# Altium PCB smoothieboard-alt.PcbDoc (part 2 of 3) (continued)
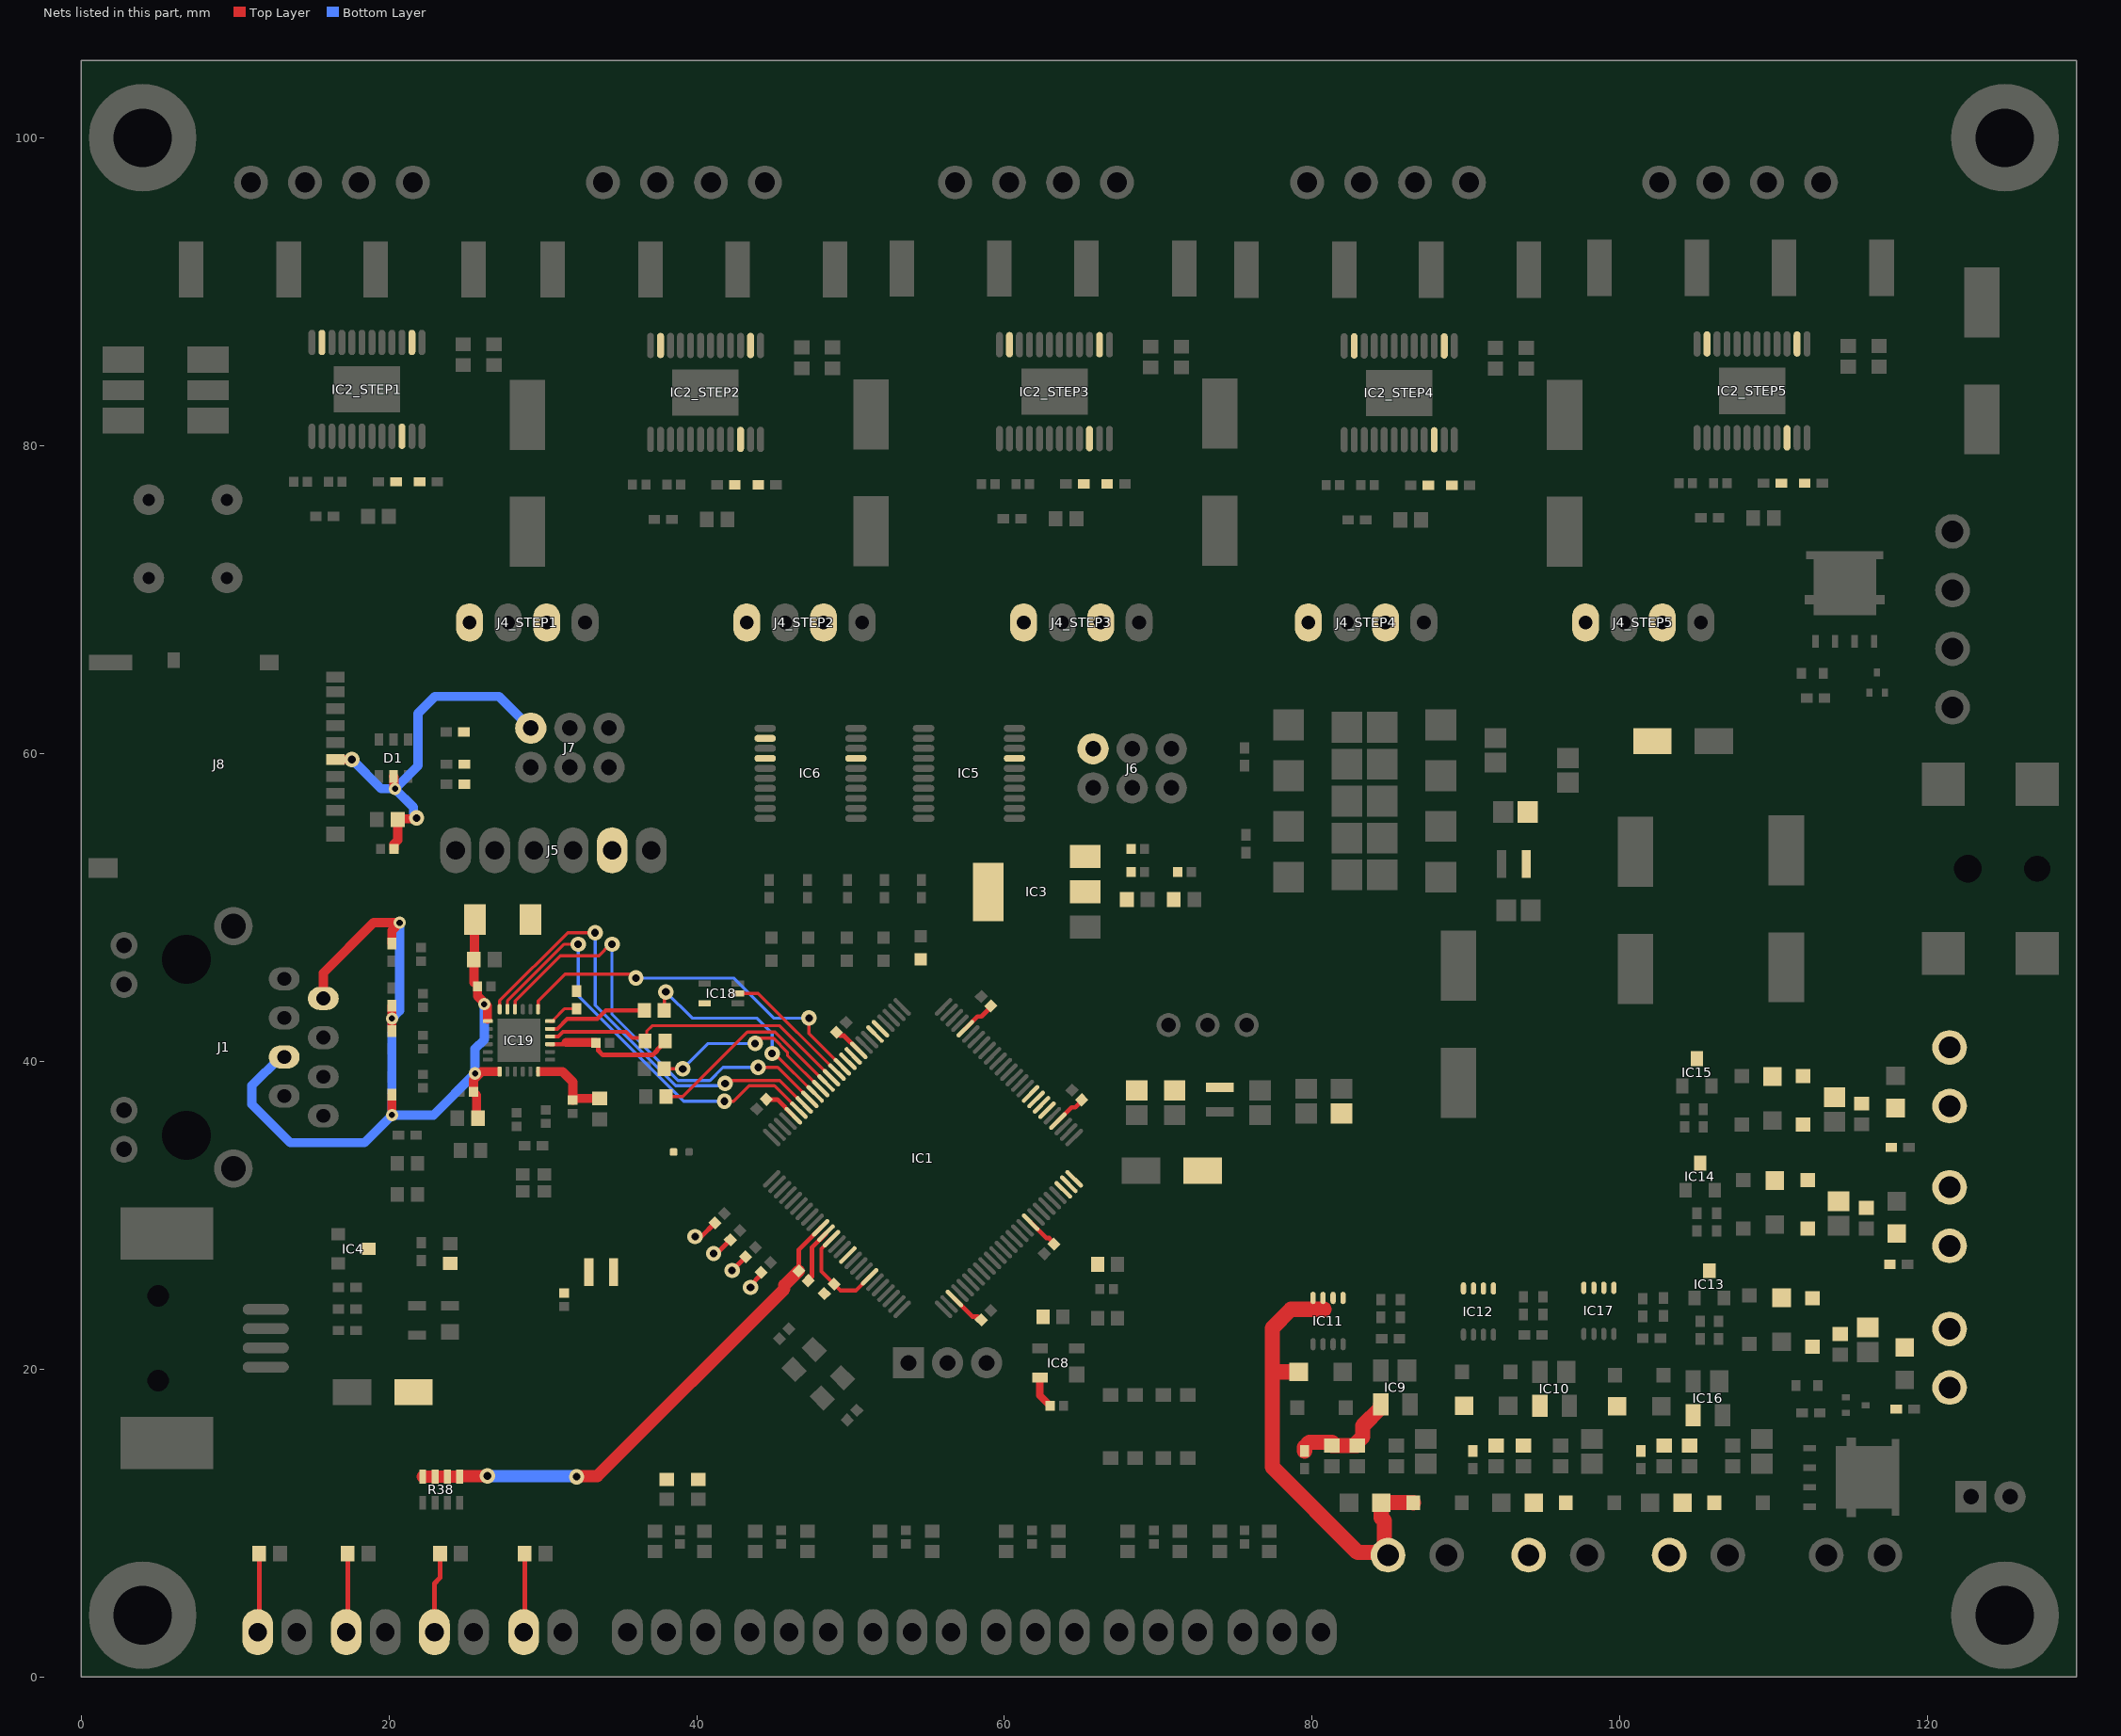
[diagram p3: the nets of this part, all layers, seen from the top]
## Part data (continued)
D10 D11: library part LTST-C171KGKT, "LED GREEN CLEAR SMD", Current - Test=20mA, Device Package="0805 (2012 Metric)", Lens Color=Colorless, Manufacturer="Lite-On Inc.", Millicandela Rating=35mcd, Supplier Part Number 1=160-1426-1-ND, Voltage - Forward (Vf) (Typ)=2V, Color=Green, ComponentLink1Description=Datasheet, ComponentLink1URL=http://optoelectronics.liteon.com/upload/download/DS22-2000-118/LTST-C171KGKT.pdf, ComponentLink2Description="DigiKey Link", ComponentLink2URL=http://digikey.com/product-detail/en/lite-on-inc/LTST-C171KGKT/160-1426-1-ND/386798, Configuration=Standard, Height (Max)=0.90mm, LastUpdated="9/2/2020 01:21:04", Lens Size="1.40mm x 1.25mm", Lens Style="Rectangle with Flat Top", Lens Transparency=Clear, Lifecycle Status=Active, Minimum Order=1, Mounting Type="Surface Mount", Package / Case="0805 (2012 Metric)", Packaging=TapeAndReel, Part Number=LTST-C171KGKT, Part Status=Active, PartId=281, Price=0.05, Series=-, Size / Dimension="2.00mm L x 1.25mm W", Supplier 1=DigiKey, Viewing Angle=130°, Wavelength - Dominant=571nm, Wavelength - Peak=574nm
D12 D13: library part LTST-C170TBKT, "LED BLUE CLEAR SMD", Current - Test=20mA, Device Package="0805 (2012 Metric)", Lens Color=Colorless, Manufacturer="Lite-On Inc.", Millicandela Rating=104mcd, Supplier Part Number 1=160-1579-1-ND, Voltage - Forward (Vf) (Typ)=3.3V, Color=Blue, ComponentLink1Description=Datasheet, ComponentLink1URL=http://optoelectronics.liteon.com/upload/download/DS-22-99-0226/LTST-C170TBKT.pdf, ComponentLink2Description="DigiKey Link", ComponentLink2URL=http://digikey.com/product-detail/en/lite-on-inc/LTST-C170TBKT/160-1579-1-ND/564889, Configuration=Standard, Height (Max)=1.10mm, LastUpdated="9/2/2020 01:20:30", Lens Size="1.40mm x 1.25mm", Lens Style="Rectangle with Flat Top", Lens Transparency=Clear, Lifecycle Status=Active, Minimum Order=1, Mounting Type="Surface Mount", Package / Case="0805 (2012 Metric)", Packaging=TapeAndReel, Part Number=LTST-C170TBKT, Part Status=Active, PartId=776, Price=0.08, Series=-, Size / Dimension="2.00mm L x 1.25mm W", Supplier 1=DigiKey, Viewing Angle=130°, Wavelength - Dominant=470nm, Wavelength - Peak=468nm
D14 D15 D16 D21 D29 D30: "DIODE SCHOTTKY 60V 15MA SOD123", Current - Average Rectified (Io)="15mA (DC)", Current - Reverse Leakage @ Vr="200nA @ 50V", Manufacturer="Diodes Incorporated", Operating Temperature - Junction="-55°C ~ 125°C", Package / Case=SOD-123, Supplier Part Number 1=1N6263W-FDICT-ND, Voltage - DC Reverse (Vr) (Max)=60V, Voltage - Forward (Vf) (Max) @ If="1V @ 15mA", ComponentLink1Description=Datasheet, ComponentLink1URL=https://www.diodes.com/assets/Datasheets/ds11014.pdf, ComponentLink2Description="DigiKey Link", ComponentLink2URL=http://digikey.com/product-detail/en/diodes-incorporated/1N6263W-7-F/1N6263W-FDICT-ND/815284, Diode Type=Schottky, LastUpdated="9/2/2020 01:19:07", Lifecycle Status=Active, Minimum Order=1, Mounting Type="Surface Mount", Packaging=TapeAndReel, Part Number=1N6263W-7-F, Part Status=Active, PartId=2234, Price=0.09, Reverse Recovery Time (trr)=1ns, Series=-, Speed="Small Signal =< 200mA (Io), Any Speed", Supplier 1=DigiKey, Supplier Device Package=SOD-123
D19 D20 D23 D34 D35 D36: "TVS DIODE 15V 24.4V SOD123", Current - Peak Pulse (10/1000µs)=8.2A, Manufacturer="Comchip Technology", Operating Temperature="-55°C ~ 150°C (TJ)", Package / Case=SOD-123, Power - Peak Pulse=200W, Power Line Protection=No, Supplier Part Number 1=641-2066-1-ND, Voltage - Breakdown (Min)=16.7V, Voltage - Clamping (Max) @ Ipp=24.4V, Voltage - Reverse Standoff (Typ)=15V, Applications="General Purpose", Bidirectional Channels=1, ComponentLink1Description=Datasheet, ComponentLink1URL="http://www.comchiptech.com/admin/files/product/TV02W-G series RevE.pdf", ComponentLink2Description="DigiKey Link", ComponentLink2URL=http://digikey.com/product-detail/en/comchip-technology/TV02W150B-G/641-2066-1-ND/10131652, LastUpdated="9/2/2020 01:28:33", Lifecycle Status=Active, Minimum Order=1, Mounting Type="Surface Mount", Packaging=TapeAndReel, Part Number=TV02W150B-G, Part Status=Active, PartId=10024, Price=0.11, Series=-, Supplier 1=DigiKey, Supplier Device Package=SOD-123, Type=Zener
D24 D25 D26 D27 D28: library part EAST16084RA0, "LED RED CLEAR 2SMD", Current - Test=20mA, Device Package="0603 (1608 Metric)", Lens Color=Colorless, Manufacturer="Everlight Electronics Co Ltd", Millicandela Rating=79mcd, Supplier Device Package=2-SMD, Supplier Part Number 1=1080-EAST16084RA0CT-ND, Voltage - Forward (Vf) (Typ)=2V, Color=Red, ComponentLink1Description=Datasheet, ComponentLink1URL=https://everlightamericas.com/index.php?controller=attachment&id_attachment=918, ComponentLink2Description="DigiKey Link", ComponentLink2URL=http://digikey.com/product-detail/en/everlight-electronics-co-ltd/EAST16084RA0/1080-EAST16084RA0CT-ND/11201073, Configuration=Standard, Height (Max)=0.50mm, LastUpdated="9/2/2020 01:20:55", Lens Size="1.00mm x 0.80mm", Lens Style="Rectangle with Flat Top", Lens Transparency=Clear, Lifecycle Status=Active, Minimum Order=1, Mounting Type="Surface Mount", Package / Case="0603 (1608 Metric)", Packaging=TapeAndReel, Part Number=EAST16084RA0, Part Status=Active, PartId=941, Price=0.06, Series=-, Size / Dimension="1.60mm L x 0.80mm W", Supplier 1=DigiKey, Viewing Angle=120°, Wavelength - Dominant=624nm, Wavelength - Peak=632nm
D31 D32 D33: "TVS DIODE 14V 23.2V SOD123F", Current - Peak Pulse (10/1000µs)=8.6A, Manufacturer="Littelfuse Inc.", Operating Temperature="-55°C ~ 150°C (TJ)", Package / Case=SOD-123F, Power - Peak Pulse=200W, Power Line Protection=No, Supplier Part Number 1=F5816CT-ND, Voltage - Breakdown (Min)=15.6V, Voltage - Clamping (Max) @ Ipp=23.2V, Voltage - Reverse Standoff (Typ)=14V, Applications="General Purpose", ComponentLink1Description=Datasheet, ComponentLink1URL=https://www.littelfuse.com/~/media/electronics/datasheets/tvs_diodes/littelfuse_tvs_diode_smf_datasheet.pdf.pdf, ComponentLink2Description="DigiKey Link", ComponentLink2URL=http://digikey.com/product-detail/en/littelfuse-inc/SMF14A/F5816CT-ND/3672306, LastUpdated="9/2/2020 01:28:36", Lifecycle Status=Active, Minimum Order=1, Mounting Type="Surface Mount", Packaging=TapeAndReel, Part Number=SMF14A, Part Status=Active, PartId=10135, Price=0.11, Series=SMF, Supplier 1=DigiKey, Supplier Device Package=SOD-123F, Type=Zener, Unidirectional Channels=1
D39_STEP1 D39_STEP2 D39_STEP3 D39_STEP4 D39_STEP5 D40_STEP1 D40_STEP2 D40_STEP3 D40_STEP4 D40_STEP5: "TVS DIODE SMF4L 40V BI 400W", Current - Peak Pulse (10/1000µs)=6.2A, Manufacturer="Littelfuse Inc.", Operating Temperature="-55°C ~ 150°C (TJ)", Package / Case=SOD-123F, Power - Peak Pulse=400W, Power Line Protection=No, Supplier Device Package=SOD-123FL, Supplier Part Number 1=18-SMF4L40CACT-ND, Voltage - Breakdown (Min)=44.4V, Voltage - Clamping (Max) @ Ipp=64.5V, Voltage - Reverse Standoff (Typ)=40V, Applications="General Purpose", Bidirectional Channels=1, ComponentLink1Description=Datasheet, ComponentLink1URL=https://www.littelfuse.com/~/media/electronics/datasheets/tvs_diodes/littelfuse_tvs_diode_smf4l_datasheet.pdf.pdf, ComponentLink2Description="DigiKey Link", ComponentLink2URL=http://digikey.com/product-detail/en/littelfuse-inc/SMF4L40CA/18-SMF4L40CACT-ND/10710302, LastUpdated="9/2/2020 01:28:38", Lifecycle Status=Active, Minimum Order=1, Mounting Type="Surface Mount", Packaging=Unknown, Part Number=SMF4L40CA, Part Status=Active, PartId=10236, Price=0.12, Series=SMF4L, Supplier 1=DigiKey, Type=Zener
FB1: library part LF1206E152R-10, "FERRITE BEAD 946 OHM 1206 1LN", Current Rating (Max)=500mA, DC Resistance (DCR) (Max)=300mOhm, Device Package="1206 (3216 Metric)", Manufacturer="Laird-Signal Integrity Products", Operating Temperature="-40°C ~ 125°C", Supplier Part Number 1=240-2566-1-ND, ComponentLink1Description=Datasheet, ComponentLink1URL=https://assets.lairdtech.com/home/brandworld/files/Catalog_EMI%20FILTERING%20RF%200717.pdf, ComponentLink2Description="DigiKey Link", ComponentLink2URL=http://digikey.com/product-detail/en/laird-signal-integrity-products/LF1206E152R-10/240-2566-1-ND/1236446, Filter Type="Power, Signal Line", Height (Max)="0.051\" (1.30mm)", Impedance @ Frequency="946 Ohms @ 100MHz", LastUpdated="9/2/2020 01:18:24", Lifecycle Status=Active, Minimum Order=1, Mounting Type="Surface Mount", Number of Lines=1, Package / Case="1206 (3216 Metric)", Packaging=TapeAndReel, Part Number=LF1206E152R-10, Part Status=Active, PartId=1683, Price=0.05, Series=LF, Size / Dimension="0.126\" L x 0.063\" W (3.20mm x 1.60mm)", Supplier 1=DigiKey
G1 G2: library part OSH_LOGO, "Open source hardware logo"
H1 H2 H3 H4: "Plated thru-hole."
IC1: "IC MCU 32BIT 512KB FLASH 100LQFP", Device Package=100-LQFP, Manufacturer="NXP USA Inc.", Operating Temperature="-40°C ~ 85°C (TA)", Supplier Device Package="100-LQFP (14x14)", Supplier Part Number 1=568-4966-ND, Voltage - Supply (Vcc/Vdd)="2.4V ~ 3.6V", ComponentLink1Description=Datasheet, ComponentLink1URL=https://www.nxp.com/docs/en/data-sheet/LPC1769_68_67_66_65_64_63.pdf, ComponentLink2Description="DigiKey Link", ComponentLink2URL=//digikey.com/product-detail/en/nxp-usa-inc/LPC1769FBD100551/568-4966-ND/2206364, Connectivity="CANbus, Ethernet, I²C, IrDA, Microwire, SPI, SSI, UART/USART, USB OTG", Core Processor="ARM® Cortex®-M3", Core Size=32-Bit, Data Converters="A/D 8x12b; D/A 1x10b", LastUpdated="12/3/2019 22:12:33", Lifecycle Status=0, Minimum Order=1, Mounting Type="Surface Mount", Number of I/O=70, Oscillator Type=Internal, Package / Case=100-LQFP, Packaging=Tray, Part Number=LPC1769FBD100,551, Part Status=Active, PartId=57, Peripherals="Brown-out Detect/Reset, DMA, I²S, Motor Control PWM, POR, PWM, WDT", Price=11.75, Program Memory Size="512KB (512K x 8)", Program Memory Type=FLASH, RAM Size="64K x 8", Series=LPC17xx, Speed=120MHz, Supplier 1=DigiKey
IC2_STEP1 IC2_STEP2 IC2_STEP3 IC2_STEP4 IC2_STEP5: "IC MTR DRV BIPOLR 3-5.5V 24TSSOP", Current - Output=2A, Device Package="24-TSSOP (0.173\", 4.40mm Width) Exposed Pad", Manufacturer="Allegro MicroSystems", Operating Temperature="-20°C ~ 150°C (TJ)", Supplier Device Package=24-TSSOP-EP, Supplier Part Number 1=620-1352-2-ND, Voltage - Load="8V ~ 35V", Voltage - Supply="3V ~ 5.5V", Applications="General Purpose", ComponentLink1Description=Datasheet, ComponentLink1URL=https://www.allegromicro.com/~/media/Files/Datasheets/A4982-Datasheet.ashx, ComponentLink2Description="DigiKey Link", ComponentLink2URL=//digikey.com/product-detail/en/allegro-microsystems/A4982SLPTR-T/620-1352-2-ND/2295512, Function="Driver - Fully Integrated, Control and Power Stage", Interface=Logic, LastUpdated="12/12/2019 08:08:45", Lifecycle Status=0, Minimum Order=1, Motor Type - Stepper=Bipolar, Mounting Type="Surface Mount", Output Configuration="Half Bridge (4)", Package / Case="24-TSSOP (0.173\", 4.40mm Width) Exposed Pad", Packaging=TapeAndReel, Part Number=A4982SLPTR-T, Part Status=Active, PartId=10, Price=1.69, Series=-, Step Resolution="1, 1/2, 1/4, 1/16", Supplier 1=DigiKey, Technology=DMOS
IC3: "IC REG LINEAR 3.3V 1A SOT223", Current - Output=1A, Current - Quiescent (Iq)=700µA, Manufacturer="ON Semiconductor", Package / Case="TO-261-4, TO-261AA", Supplier Device Package=SOT-223, Supplier Part Number 1=NCP1117LPST33T3GOSCT-ND, Voltage - Input (Max)=18V, Voltage - Output (Min/Fixed)=3.3V, Voltage Dropout (Max)="1.4V @ 1A", ComponentLink1Description=Datasheet, ComponentLink1URL=http://www.onsemi.com/pub/Collateral/NCP1117LP-D.PDF, ComponentLink2Description="DigiKey Link", ComponentLink2URL=http://digikey.com/product-detail/en/on-semiconductor/NCP1117LPST33T3G/NCP1117LPST33T3GOSCT-ND/3462387, LastUpdated="9/2/2020 01:24:40", Lifecycle Status=Active, Minimum Order=1, Mounting Type="Surface Mount", Number of Regulators=1, Output Configuration=Positive, Output Type=Fixed, Packaging=TapeAndReel, Part Number=NCP1117LPST33T3G, Part Status=Active, Price=0.12, Protection Features="Over Current, Over Temperature", PSRR="60dB (120Hz)", Series=-, Supplier 1=DigiKey
IC4: "MOSFET P-CH 20V 4.2A SOT23", Current - Continuous Drain (Id) @ 25°C="4.2A (Ta)", Drain to Source Voltage (Vdss)=20V, Drive Voltage (Max Rds On,  Min Rds On)="1.8V, 4.5V", Input Capacitance (Ciss) (Max) @ Vds="808pF @ 15V", Manufacturer="Diodes Incorporated", Operating Temperature="-55°C ~ 150°C (TJ)", Package / Case="TO-236-3, SC-59, SOT-23-3", Power Dissipation (Max)="1.4W (Ta)", Supplier Device Package=SOT-23, Supplier Part Number 1=DMG2305UX-13DICT-ND, ComponentLink1Description=Datasheet, ComponentLink1URL=https://www.diodes.com/assets/Datasheets/DMG2305UX.pdf, ComponentLink2Description="DigiKey Link", ComponentLink2URL=http://digikey.com/product-detail/en/diodes-incorporated/DMG2305UX-13/DMG2305UX-13DICT-ND/4251589, FET Type=P-Channel, Gate Charge (Qg) (Max) @ Vgs="10.2nC @ 4.5V", LastUpdated="9/2/2020 01:25:04", Lifecycle Status=Active, Minimum Order=1, Mounting Type="Surface Mount", Packaging=TapeAndReel, Part Number=DMG2305UX-13, Part Status=Active, Price=0.05, Rds On (Max) @ Id, Vgs="52mOhm @ 4.2A, 4.5V", Series=-, Supplier 1=DigiKey, Technology="MOSFET (Metal Oxide)", Vgs (Max)=±8V, Vgs(th) (Max) @ Id="900mV @ 250µA"
IC5 IC6: "IC DGT POT 10KOHM 257TAP 20TSSOP", Device Package="20-TSSOP (0.173\", 4.40mm Width)", Manufacturer="Microchip Technology", Operating Temperature="-40°C ~ 125°C", Resistance (Ohms)=10k, Resistance - Wiper (Ohms) (Typ)=75, Supplier Device Package=20-TSSOP, Supplier Part Number 1=MCP4451-103E/ST-ND, Temperature Coefficient (Typ)=150ppm/°C, Tolerance=±20%, Voltage - Supply="1.8V ~ 5.5V", ComponentLink1Description=Datasheet, ComponentLink1URL=http://www.microchip.com/mymicrochip/filehandler.aspx?ddocname=en551978, ComponentLink2Description="DigiKey Link", ComponentLink2URL=//digikey.com/product-detail/en/microchip-technology/MCP4451-103E-ST/MCP4451-103E-ST-ND/2601449, Configuration=Potentiometer, Features="Mute, Selectable Address", Interface=I²C, LastUpdated="12/4/2019 00:36:58", Lifecycle Status=0, Memory Type=Volatile, Minimum Order=1, Number of Circuits=4, Number of Taps=257, Package / Case="20-TSSOP (0.173\", 4.40mm Width)", Packaging=Tube, Part Number=MCP4451-103E/ST, Part Status=Active, PartId=1, Price=1.35, Series=-, Supplier 1=DigiKey, Taper=Linear
IC7: "TVS DIODE 5.5V SOT143B", Capacitance @ Frequency="1pF @ 1MHz", Device Package="TO-253-4, TO-253AA", Manufacturer="Nexperia USA Inc.", Operating Temperature="-40°C ~ 85°C (TA)", Power Line Protection=Yes, Supplier Device Package=SOT-143B, Supplier Part Number 1=1727-3884-2-ND, Voltage - Breakdown (Min)=6V, Voltage - Reverse Standoff (Typ)="5.5V (Max)", Applications="General Purpose", ComponentLink1Description=Datasheet, ComponentLink1URL=https://assets.nexperia.com/documents/data-sheet/PRTR5V0U2X.pdf, ComponentLink2Description="DigiKey Link", ComponentLink2URL=//digikey.com/product-detail/en/nexperia-usa-inc/PRTR5V0U2X215/1727-3884-2-ND/1163690, LastUpdated="12/9/2019 21:29:05", Lifecycle Status=0, Minimum Order=1, Mounting Type="Surface Mount", Package / Case="TO-253-4, TO-253AA", Packaging=TapeAndReel, Part Number=PRTR5V0U2X,215, Part Status=Active, PartId=5451, Price=0.18, Series=-, Supplier 1=DigiKey, Type="Steering (Rail to Rail)", Unidirectional Channels=2
IC8: "IC SUPERVISOR 1 CHANNEL SOT143-4", Manufacturer=STMicroelectronics, Number of Voltages Monitored=1, Operating Temperature="-40°C ~ 125°C (TA)", Package / Case="TO-253-4, TO-253AA", Supplier Device Package=SOT-143-4, Supplier Part Number 1=497-6028-1-ND, Voltage - Threshold=4.38V, ComponentLink1Description=Datasheet, ComponentLink1URL=http://www.st.com/content/ccc/resource/technical/document/datasheet/64/6b/44/43/61/e6/41/d5/CD00081393.pdf/files/CD00081393.pdf/jcr:content/translations/en.CD00081393.pdf, ComponentLink2Description="DigiKey Link", ComponentLink2URL=http://digikey.com/product-detail/en/stmicroelectronics/STM6315MDW13F/497-6028-1-ND/1632057, LastUpdated="9/2/2020 01:24:56", Lifecycle Status=Active, Minimum Order=1, Mounting Type="Surface Mount", Output="Open Drain or Open Collector", Packaging=TapeAndReel, Part Number=STM6315MDW13F, Part Status=Active, Price=0.23, Reset="Active Low", Reset Timeout="140ms Minimum", Series=-, Supplier 1=DigiKey, Type="Simple Reset/Power-On Reset"
IC9 IC10 IC16: "IC GATE DRVR LOW-SIDE SOT143", Current - Peak Output (Source, Sink)="1.2A, 1.2A", Device Package="TO-253-4, TO-253AA", Logic Voltage - VIL, VIH="0.8V, 2.4V", Manufacturer="Microchip Technology", Operating Temperature="-40°C ~ 150°C (TJ)", Supplier Device Package=SOT-143, Supplier Part Number 1=576-1187-1-ND, Voltage - Supply="4.5V ~ 18V", Channel Type=Single, ComponentLink1Description=Datasheet, ComponentLink1URL=http://www.microchip.com/mymicrochip/filehandler.aspx?ddocname=en579163, ComponentLink2Description="DigiKey Link", ComponentLink2URL=http://digikey.com/product-detail/en/microchip-technology/MIC4416YM4-TR/576-1187-1-ND/771864, Driven Configuration=Low-Side, Gate Type="N-Channel MOSFET", Input Type=Non-Inverting, LastUpdated="1/31/2020 01:32:45", Lifecycle Status=Active, Minimum Order=1, Mounting Type="Surface Mount", Number of Drivers=1, Package / Case="TO-253-4, TO-253AA", Packaging=TapeAndReel, Part Number=MIC4416YM4-TR, Part Status=Active, PartId=7, Price=0.68, Rise / Fall Time (Typ)="14ns, 16ns", Series=IttyBitty®, Supplier 1=DigiKey
IC11 IC12 IC17: "TRENCH 40<-<100V", Current - Continuous Drain (Id) @ 25°C="17A (Ta), 40A (Tc)", Device Package=8-PowerTDFN, Drain to Source Voltage (Vdss)=60V, Drive Voltage (Max Rds On,  Min Rds On)="4.5V, 10V", Input Capacitance (Ciss) (Max) @ Vds="3100pF @ 30V", Manufacturer="Infineon Technologies", Power Dissipation (Max)="2.1W (Ta), 69W (Tc)", Supplier Device Package=PG-TSDSON-8-FL, Supplier Part Number 1=448-BSZ0702LSATMA1CT-ND, ComponentLink1Description=Datasheet, ComponentLink1URL=https://www.infineon.com/dgdl/Infineon-BSZ0702LS-DataSheet-v02_01-EN.pdf?fileId=5546d462700c0ae601708b86789613d0, ComponentLink2Description="DigiKey Link", ComponentLink2URL=http://digikey.com/product-detail/en/infineon-technologies/BSZ0702LSATMA1/448-BSZ0702LSATMA1CT-ND/12756161, FET Type=N-Channel, Gate Charge (Qg) (Max) @ Vgs="22nC @ 4.5V", LastUpdated="8/30/2020 21:06:51", Lifecycle Status=Active, Minimum Order=1, Mounting Type="Surface Mount", Package / Case=8-PowerTDFN, Packaging=TapeAndReel, Part Number=BSZ0702LSATMA1, Price=0.45, Rds On (Max) @ Id, Vgs="4mOhm @ 20A, 10V", Series=OptiMOS™, Supplier 1=DigiKey, Technology="MOSFET (Metal Oxide)", Vgs (Max)=±20V, Vgs(th) (Max) @ Id="2.3V @ 36µA"
IC13 IC14 IC15: "MOSFET N-CH 60V 2.7A SOT-23-3", Current - Continuous Drain (Id) @ 25°C="2.7A (Ta)", Drain to Source Voltage (Vdss)=60V, Drive Voltage (Max Rds On,  Min Rds On)="4.5V, 10V", Input Capacitance (Ciss) (Max) @ Vds="290pF @ 25V", Manufacturer="Infineon Technologies", Operating Temperature="-55°C ~ 150°C (TJ)", Package / Case="TO-236-3, SC-59, SOT-23-3", Power Dissipation (Max)="1.25W (Ta)", Supplier Device Package=Micro3™/SOT-23, Supplier Part Number 1=IRLML0060TRPBFCT-ND, ComponentLink1Description=Datasheet, ComponentLink1URL=https://www.infineon.com/dgdl/irlml0060pbf.pdf?fileId=5546d462533600a40153566493ef25e6, ComponentLink2Description="DigiKey Link", ComponentLink2URL=http://digikey.com/product-detail/en/infineon-technologies/IRLML0060TRPBF/IRLML0060TRPBFCT-ND/2202229, FET Type=N-Channel, Gate Charge (Qg) (Max) @ Vgs="2.5nC @ 4.5V", LastUpdated="9/2/2020 01:25:05", Lifecycle Status=Active, Minimum Order=1, Mounting Type="Surface Mount", Packaging=TapeAndReel, Part Number=IRLML0060TRPBF, Part Status=Active, Price=0.13, Rds On (Max) @ Id, Vgs="92mOhm @ 2.7A, 10V", Series=HEXFET®, Supplier 1=DigiKey, Technology="MOSFET (Metal Oxide)", Vgs (Max)=±16V, Vgs(th) (Max) @ Id="2.5V @ 25µA"
IC18: "IC INVERTER SCHMITT 1CH SOT353", Current - Output High, Low="8mA, 8mA", Current - Quiescent (Max)=1µA, Device Package="5-TSSOP, SC-70-5, SOT-353", Manufacturer="Diodes Incorporated", Operating Temperature="-40°C ~ 125°C", Supplier Device Package=SOT-353, Supplier Part Number 1=74AHC1G14SE-7DICT-ND, Voltage - Supply="2V ~ 5.5V", ComponentLink1Description=Datasheet, ComponentLink1URL=https://www.diodes.com/assets/Datasheets/74AHC1G14.pdf, ComponentLink2Description="DigiKey Link", ComponentLink2URL=http://digikey.com/product-detail/en/diodes-incorporated/74AHC1G14SE-7/74AHC1G14SE-7DICT-ND/2639309, Features="Schmitt Trigger", LastUpdated="3/4/2020 22:03:22", Lifecycle Status=Active, Logic Level - High="2.2V ~ 3.85V", Logic Level - Low="0.9V ~ 1.65V", Logic Type=Inverter, Max Propagation Delay @ V, Max CL="10.6ns @ 5V, 50pF", Minimum Order=1, Mounting Type="Surface Mount", Number of Circuits=1, Number of Inputs=1, Package / Case="5-TSSOP, SC-70-5, SOT-353", Packaging=TapeAndReel, Part Number=74AHC1G14SE-7, Part Status=Active, PartId=8, Price=0.05, Series=74AHC, Supplier 1=DigiKey
IC19: "IC TRANSCEIVER FULL 2/2 24QFN", Manufacturer="Microchip Technology", Operating Temperature="-40°C ~ 85°C", Package / Case="24-VFQFN Exposed Pad", Supplier Device Package="24-QFN-EP (4x4)", Supplier Part Number 1=638-1084-ND, Voltage - Supply="1.6V ~ 3.6V", ComponentLink1Description=Datasheet, ComponentLink1URL=http://www.microchip.com/mymicrochip/filehandler.aspx?ddocname=en586588, ComponentLink2Description="DigiKey Link", ComponentLink2URL=http://digikey.com/product-detail/en/microchip-technology/LAN8720AI-CP/638-1084-ND/2166036, Duplex=Full, LastUpdated="9/2/2020 01:27:36", Lifecycle Status=Active, Minimum Order=1, Mounting Type="Surface Mount", Number of Drivers/Receivers=2/2, Packaging=Tray, Part Number=LAN8720AI-CP, Part Status=Active, Price=1.45, Protocol=RMII, Series=-, Supplier 1=DigiKey, Type=Transceiver
J1: "CONN MAGJACK 1PORT 100 BASE-TX", LED Color="Yellow - Green", Manufacturer="Abracon LLC", Operating Temperature="0°C ~ 70°C", Supplier Part Number 1=535-12605-ND, Applications="10/100 Base-TX, AutoMDIX", ComponentLink1Description=Datasheet, ComponentLink1URL=https://abracon.com/Magnetics/lan/ARJC02-111008B.PDF, ComponentLink2Description="DigiKey Link", ComponentLink2URL=http://digikey.com/product-detail/en/abracon-llc/ARJC02-111008B/535-12605-ND/4696789, Connector Type=RJ45, Features="Board Guide", Height Above Board="0.534\" (13.55mm)", LastUpdated="1/15/2020 03:56:28", Lifecycle Status=Active, Minimum Order=1, Mounting Type="Through Hole", Number of Cores per Jack=4, Number of Ports=1, Number of Rows=1, Orientation="90° Angle (Right)", Packaging=Tray, Part Number=ARJC02-111008B, Part Status=Active, Price=7.80, Series=ARJC02, Shielding="Shielded, EMI Finger", Supplier 1=DigiKey, Tab Direction=Down, Termination=Solder
J2_STEP1 J2_STEP2 J2_STEP3 J2_STEP4 J2_STEP5: "TERM BLOCK HDR 4POS 90DEG 3.5MM", Color=Black, Current - UL=8A, Manufacturer=Molex, Operating Temperature="-40°C ~ 105°C", Supplier Part Number 1=WM7772-ND, Voltage - UL=300V, ComponentLink1Description=Datasheet, ComponentLink1URL=https://www.molex.com/pdm_docs/sd/395021002_sd.pdf, ComponentLink2Description="DigiKey Link", ComponentLink2URL=http://digikey.com/product-detail/en/molex/0395021004/WM7772-ND/1280623, Contact Mating Finish=Tin, Header Orientation="90°, Right Angle", LastUpdated="6/25/2020 15:44:36", Lifecycle Status=Active, Minimum Order=1, Mounting Type="Through Hole", Number of Levels=1, Number of Positions=4, Packaging=Tray, Part Number=0395021004, Part Status=Active, Pitch="0.138\" (3.50mm)", Positions Per Level=4, Price=1.07, Series="Eurostyle ESE 39502", Supplier 1=DigiKey, Termination Style=Solder, Type="Header, Male Pins, Shrouded (4 Side)"
J3 J10 J11 J12 J13 J14: "CONN HEADER VERT 3POS 2.54MM", Insulation Color=Natural, Manufacturer=Molex, Material Flammability Rating="UL94 V-0", Supplier Part Number 1=WM4112-ND, ComponentLink1Description=Datasheet, ComponentLink1URL=https://www.molex.com/pdm_docs/sd/022272031_sd.pdf, ComponentLink2Description="DigiKey Link", ComponentLink2URL=http://digikey.com/product-detail/en/molex/0022272031/WM4112-ND/1130578, Connector Type=Header, Contact Finish - Mating=Tin, Contact Finish - Post=Tin, Contact Finish Thickness - Mating="100.0µin (2.54µm)", Contact Length - Mating="0.295\" (7.49mm)", Contact Length - Post="0.140\" (3.56mm)", Contact Material=Brass, Contact Shape=Square, Contact Type="Male Pin", Fastening Type="Friction Lock", Insulation Height="0.461\" (11.70mm)", Insulation Material="Polyamide (PA), Nylon", LastUpdated="1/12/2020 23:51:54", Lifecycle Status=Active, Minimum Order=1, Mounting Type="Through Hole", Number of Positions=3, Number of Positions Loaded=All, Number of Rows=1, Overall Contact Length="0.560\" (14.22mm)", Packaging=Bulk, Part Number=0022272031, Part Status=Active, PartId=77, Pitch - Mating="0.100\" (2.54mm)", Price=0.37, Series="KK 6410", Shrouding="Shrouded - 1 Wall", Style="Board to Cable/Wire", Supplier 1=DigiKey, Termination=Solder
J4_STEP1 J4_STEP2 J4_STEP3 J4_STEP4 J4_STEP5: "CONN HEADER VERT 4POS 2.5MM", Current Rating (Amps)=3A, Insulation Color=Natural, Manufacturer="JST Sales America Inc.", Material Flammability Rating="UL94 V-0", Operating Temperature="-25°C ~ 85°C", Supplier Part Number 1=455-2249-ND, Voltage Rating=250V, ComponentLink1Description=Datasheet, ComponentLink1URL=http://www.jst-mfg.com/product/pdf/eng/eXH.pdf, ComponentLink2Description="DigiKey Link", ComponentLink2URL=http://digikey.com/product-detail/en/jst-sales-america-inc/B4B-XH-A-LF-SN/455-2249-ND/1651047, Connector Type=Header, Contact Finish - Mating=Tin, Contact Finish - Post=Tin, Contact Length - Post="0.134\" (3.40mm)", Contact Material=Brass, Contact Shape=Square, Contact Type="Male Pin", Fastening Type="Detent Lock", Insulation Height="0.276\" (7.00mm)", Insulation Material="Polyamide (PA66), Nylon 6/6", LastUpdated="1/12/2020 23:46:34", Lifecycle Status=Active, Minimum Order=1, Mounting Type="Through Hole", Number of Positions=4, Number of Positions Loaded=All, Number of Rows=1, Packaging=Bulk, Part Number=B4B-XH-A(LF)(SN), Part Status=Active, PartId=69, Pitch - Mating="0.098\" (2.50mm)", Price=0.21, Series=XH, Shrouding="Shrouded - 4 Wall", Style="Board to Cable/Wire", Supplier 1=DigiKey, Termination="Press-Fit, Solder"
J5: "CONN HEADER VERT 6POS 2.54MM", Insulation Color=Natural, Manufacturer=Molex, Material Flammability Rating="UL94 V-0", Supplier Part Number 1=WM4115-ND, ComponentLink1Description=Datasheet, ComponentLink1URL=https://www.molex.com/pdm_docs/sd/022272061_sd.pdf, ComponentLink2Description="DigiKey Link", ComponentLink2URL=http://digikey.com/product-detail/en/molex/0022272061/WM4115-ND/1130581, Connector Type=Header, Contact Finish - Mating=Tin, Contact Finish - Post=Tin, Contact Finish Thickness - Mating="100.0µin (2.54µm)", Contact Length - Mating="0.295\" (7.49mm)", Contact Length - Post="0.140\" (3.56mm)", Contact Material=Brass, Contact Shape=Square, Contact Type="Male Pin", Fastening Type="Friction Lock", Insulation Height="0.461\" (11.70mm)", Insulation Material="Polyamide (PA), Nylon", LastUpdated="1/12/2020 23:52:24", Lifecycle Status=Active, Minimum Order=1, Mounting Type="Through Hole", Number of Positions=6, Number of Positions Loaded=All, Number of Rows=1, Overall Contact Length="0.560\" (14.22mm)", Packaging=Bulk, Part Number=0022272061, Part Status=Active, PartId=80, Pitch - Mating="0.100\" (2.54mm)", Price=0.49, Series="KK 6410", Shrouding="Shrouded - 1 Wall", Style="Board to Cable/Wire", Supplier 1=DigiKey, Termination=Solder
J6 J7: library part PROG_PORT, "2x3 programming port"
J8: "CONN MICRO SD CARD PUSH-PUSH R/A", Manufacturer="Hirose Electric Co Ltd", Supplier Part Number 1=HR1964TR-ND, Card Type="Secure Digital - microSD™", ComponentLink1Description=Datasheet, ComponentLink1URL=https://www.hirose.com/product/document?clcode=CL0609-0033-6-00&productname=DM3AT-SF-PEJ2M5&series=DM3&documenttype=Catalog&lang=en&documentid=D49662_en, ComponentLink2Description="DigiKey Link", ComponentLink2URL=//digikey.com/product-detail/en/hirose-electric-co-ltd/DM3AT-SF-PEJM5/HR1964TR-ND/2533565, Connector Type="Connector and Ejector", Contact Finish=Gold, Features=Switch, Height Above Board="0.066\" (1.68mm)", Insertion, Removal Method="Push In, Push Out", LastUpdated="12/16/2019 20:34:40", Lifecycle Status=0, Minimum Order=1, Mounting Feature="Normal, Standard - Top", Mounting Type="Surface Mount, Right Angle", Number of Positions="10 (8 + 2)", Packaging=TapeAndReel, Part Number=DM3AT-SF-PEJM5, Part Status=Active, Price=1.41, Series=DM3, Supplier 1=DigiKey
J9: "CONN RCPT USB2.0 TYPEB 4P SMD RA", Current Rating (Amps)=1.5A, Manufacturer="Harwin Inc.", Supplier Part Number 1=952-1768-ND, Voltage - Rated=250VAC, ComponentLink1Description=Datasheet, ComponentLink1URL=https://cdn.harwin.com/pdfs/M701-370442.pdf, ComponentLink2Description="DigiKey Link", ComponentLink2URL=//digikey.com/product-detail/en/harwin-inc/M701-370442/952-1768-ND/3727737, Connector Type="USB - B", Features="Board Guide, Solder Retention", Gender=Receptacle, LastUpdated="12/9/2019 20:50:51", Lifecycle Status=0, Mating Cycles=1500, Minimum Order=1, Mounting Feature=Horizontal, Mounting Type="Surface Mount, Right Angle", Number of Contacts=4, Number of Ports=1, Packaging=Bulk, Part Number=M701-370442, Part Status=Active, Price=1.36, Series=-, Shielding=Unshielded, Specifications="USB 2.0", Supplier 1=DigiKey, Termination=Solder
J16 J17 J18 J19: "CONN HEADER VERT 2POS 2.54MM", Insulation Color=Natural, Manufacturer=Molex, Material Flammability Rating="UL94 V-0", Supplier Part Number 1=WM4111-ND, ComponentLink1Description=Datasheet, ComponentLink1URL=https://www.molex.com/pdm_docs/sd/022272021_sd.pdf, ComponentLink2Description="DigiKey Link", ComponentLink2URL=http://digikey.com/product-detail/en/molex/0022272021/WM4111-ND/1130577, Connector Type=Header, Contact Finish - Mating=Tin, Contact Finish - Post=Tin, Contact Finish Thickness - Mating="100.0µin (2.54µm)", Contact Length - Mating="0.295\" (7.49mm)", Contact Length - Post="0.140\" (3.56mm)", Contact Material=Brass, Contact Shape=Square, Contact Type="Male Pin", Fastening Type="Friction Lock", Insulation Height="0.461\" (11.70mm)", Insulation Material="Polyamide (PA), Nylon", LastUpdated="1/12/2020 23:51:43", Lifecycle Status=Active, Minimum Order=1, Mounting Type="Through Hole", Number of Positions=2, Number of Positions Loaded=All, Number of Rows=1, Overall Contact Length="0.560\" (14.22mm)", Packaging=Bulk, Part Number=0022272021, Part Status=Active, PartId=76, Pitch - Mating="0.100\" (2.54mm)", Price=0.27, Series="KK 6410", Shrouding="Shrouded - 1 Wall", Style="Board to Cable/Wire", Supplier 1=DigiKey, Termination=Solder
J20: "TERM BLOCK HDR 4POS 90DEG 3.81MM", Color=Green, Current - UL=10A, Manufacturer="Amphenol Anytek", Operating Temperature="-40°C ~ 115°C", Supplier Part Number 1=609-3821-ND, Voltage - UL=300V, ComponentLink1Description=Datasheet, ComponentLink1URL=http://portal.fciconnect.com/Comergent//fci/drawing/oqxx32x100j0g.pdf, ComponentLink2Description="DigiKey Link", ComponentLink2URL=//digikey.com/product-detail/en/amphenol-anytek/OQ0432510000G/609-3821-ND/2261267, Contact Mating Finish=Tin, Header Orientation="90°, Right Angle", LastUpdated="12/16/2019 19:15:03", Lifecycle Status=0, Minimum Order=1, Mounting Type="Through Hole", Number of Levels=1, Number of Positions=4, Packaging=Bulk, Part Number=OQ0432510000G, Part Status=Active, Pitch="0.150\" (3.81mm)", Positions Per Level=4, Price=0.71, Series=06-381, Supplier 1=DigiKey, Termination Style=Solder, Type="Header, Male Pins, Shrouded (4 Side)"
J21 J22 J23 J24 J25 J26 J29: "TERM BLOCK HDR 2POS 90DEG 3.81MM", Color=Green, Current - UL=10A, Manufacturer="Amphenol Anytek", Operating Temperature="-40°C ~ 115°C", Supplier Part Number 1=609-3819-ND, Voltage - UL=300V, ComponentLink1Description=Datasheet, ComponentLink1URL=http://portal.fciconnect.com/Comergent//fci/drawing/oqxx32x100j0g.pdf, ComponentLink2Description="DigiKey Link", ComponentLink2URL=//digikey.com/product-detail/en/amphenol-anytek/OQ0232510000G/609-3819-ND/2261255, Contact Mating Finish=Tin, Header Orientation="90°, Right Angle", LastUpdated="12/16/2019 19:14:30", Lifecycle Status=0, Minimum Order=1, Mounting Type="Through Hole", Number of Levels=1, Number of Positions=2, Packaging=Bulk, Part Number=OQ0232510000G, Part Status=Active, Pitch="0.150\" (3.81mm)", Positions Per Level=2, Price=0.49, Series=06-381, Supplier 1=DigiKey, Termination Style=Solder, Type="Header, Male Pins, Shrouded (4 Side)"
J27: "CONN HEADER VERT 10POS 2.54MM", Insulation Color=Natural, Manufacturer=Molex, Material Flammability Rating="UL94 V-0", Supplier Part Number 1=WM4119-ND, ComponentLink1Description=Datasheet, ComponentLink1URL=https://www.molex.com/pdm_docs/sd/022272101_sd.pdf, ComponentLink2Description="DigiKey Link", ComponentLink2URL=http://digikey.com/product-detail/en/molex/0022272101/WM4119-ND/1130585, Connector Type=Header, Contact Finish - Mating=Tin, Contact Finish - Post=Tin, Contact Finish Thickness - Mating="100.0µin (2.54µm)", Contact Length - Mating="0.295\" (7.49mm)", Contact Length - Post="0.140\" (3.56mm)", Contact Material=Brass, Contact Shape=Square, Contact Type="Male Pin", Fastening Type="Friction Lock", Insulation Height="0.461\" (11.70mm)", Insulation Material="Polyamide (PA), Nylon", LastUpdated="1/12/2020 23:53:02", Lifecycle Status=Active, Minimum Order=1, Mounting Type="Through Hole", Number of Positions=10, Number of Positions Loaded=All, Number of Rows=1, Overall Contact Length="0.560\" (14.22mm)", Packaging=Bulk, Part Number=0022272101, Part Status=Active, PartId=84, Pitch - Mating="0.100\" (2.54mm)", Price=0.73, Series="KK 6410", Shrouding="Shrouded - 1 Wall", Style="Board to Cable/Wire", Supplier 1=DigiKey, Termination=Solder
J28: "CONN PWR JACK 2X5.5MM SOLDER", Current Rating (Amps)=5A, Manufacturer="CUI Devices", Material Flammability Rating="UL94 V-0", Supplier Part Number 1=CP-002AHPJCT-ND, Voltage - Rated=24VDC, Actual Diameter="0.079\" (2.00mm ID), 0.256\" (6.50mm OD)", ComponentLink1Description=Datasheet, ComponentLink1URL=https://www.cuidevices.com/product/resource/digikeypdf/pj-002ah-smt-tr.pdf, ComponentLink2Description="DigiKey Link", ComponentLink2URL=http://digikey.com/product-detail/en/cui-devices/PJ-002AH-SMT-TR/CP-002AHPJCT-ND/669692, Connector Type=Jack, Features="Board Guide", Gender=Male, Industry Recognized Mating Diameter="2.00mm ID (0.079\"), 5.50mm OD (0.217\")", Internal Switch(s)="Single Switch, Normally Closed", LastUpdated="5/26/2020 13:33:39", Lifecycle Status=Active, Mating Length/Depth="0.350\" (8.90mm)", Minimum Order=1, Mounting Type="Surface Mount", Number of Positions/Contacts="2 Conductors, 3 Contacts", Packaging=TapeAndReel, Part Number=PJ-002AH-SMT-TR, Part Status=Active, Price=0.90, Series=-, Shielding=Unshielded, Supplier 1=DigiKey, Termination=Solder
L1: library part VLS201612HBX-6R8M-1, "FIXED IND 6.8UH 910MA 468 MOHM", Current - Saturation=870mA, Current Rating (Amps)=910mA, DC Resistance (DCR)="468mOhm Max", Device Package="0806 (2016 Metric)", Inductance Frequency - Test=1MHz, Manufacturer="TDK Corporation", Operating Temperature="-40°C ~ 105°C", Supplier Part Number 1=445-173015-1-ND, Tolerance=±20%, ComponentLink1Description=Datasheet, ComponentLink1URL=https://product.tdk.com/info/en/catalog/datasheets/inductor_commercial_power_vls201612hbx-1_en.pdf?ref_disty=digikey, ComponentLink2Description="DigiKey Link", ComponentLink2URL=http://digikey.com/product-detail/en/tdk-corporation/VLS201612HBX-6R8M-1/445-173015-1-ND/5250934, Height - Seated (Max)="0.047\" (1.20mm)", Inductance=6.8µH, LastUpdated="9/2/2020 01:24:37", Lifecycle Status=Active, Material - Core=Metal, Minimum Order=1, Mounting Type="Surface Mount", Package / Case="0806 (2016 Metric)", Packaging=TapeAndReel, Part Number=VLS201612HBX-6R8M-1, Part Status=Active, PartId=223, Price=0.13, Series=VLS-HBX-1, Shielding=Shielded, Size / Dimension="0.079\" L x 0.063\" W (2.00mm x 1.60mm)", Supplier 1=DigiKey, Supplier Device Package="0806 (2016 Metric)", Type=Wirewound
L2 L3: library part SDED20161T-150MS, "FIXED IND 15UH 420MA 1.895OHM SM", Current - Saturation=450mA, Current Rating (Amps)=420mA, DC Resistance (DCR)="1.895Ohm Max", Device Package="0806 (2016 Metric)", Inductance Frequency - Test=1MHz, Manufacturer="Delta Electronics/Cyntec", Operating Temperature="-55°C ~ 125°C", Supplier Device Package=0806, Supplier Part Number 1=2037-SDED20161T-150MSCT-ND, Tolerance=±20%, ComponentLink1Description=Datasheet, ComponentLink1URL=http://www.cyntec.com/upfile/products/download/SDED20161T-000%20(A6).pdf, ComponentLink2Description="DigiKey Link", ComponentLink2URL=http://digikey.com/product-detail/en/delta-electronics-cyntec/SDED20161T-150MS/2037-SDED20161T-150MSCT-ND/10315483, Height - Seated (Max)="0.039\" (1.00mm)", Inductance=15µH, LastUpdated="9/2/2020 01:24:37", Lifecycle Status=Active, Material - Core="0806 (2016 Metric)", Minimum Order=1, Mounting Type="Surface Mount", Package / Case="0806 (2016 Metric)", Packaging=TapeAndReel, Part Number=SDED20161T-150MS, Part Status=Active, PartId=2797, Price=0.09, Series=SDED20161T, Shielding=Shielded, Size / Dimension="0.079\" L x 0.063\" W (2.00mm x 1.60mm)", Supplier 1=DigiKey